# Altium PCB 电解模块主控板_V1.1_ZM_20211015.PcbDoc (part 1 of 4)
Units mm, origin at the board's own origin, x right, y up, seen from the top; angles counter-clockwise.
Board outline 150.25 x 100.26 mm, 2 copper layers (Top Layer, Bottom Layer); 200 components, 151 nets, 656 pads, 1528 vias.
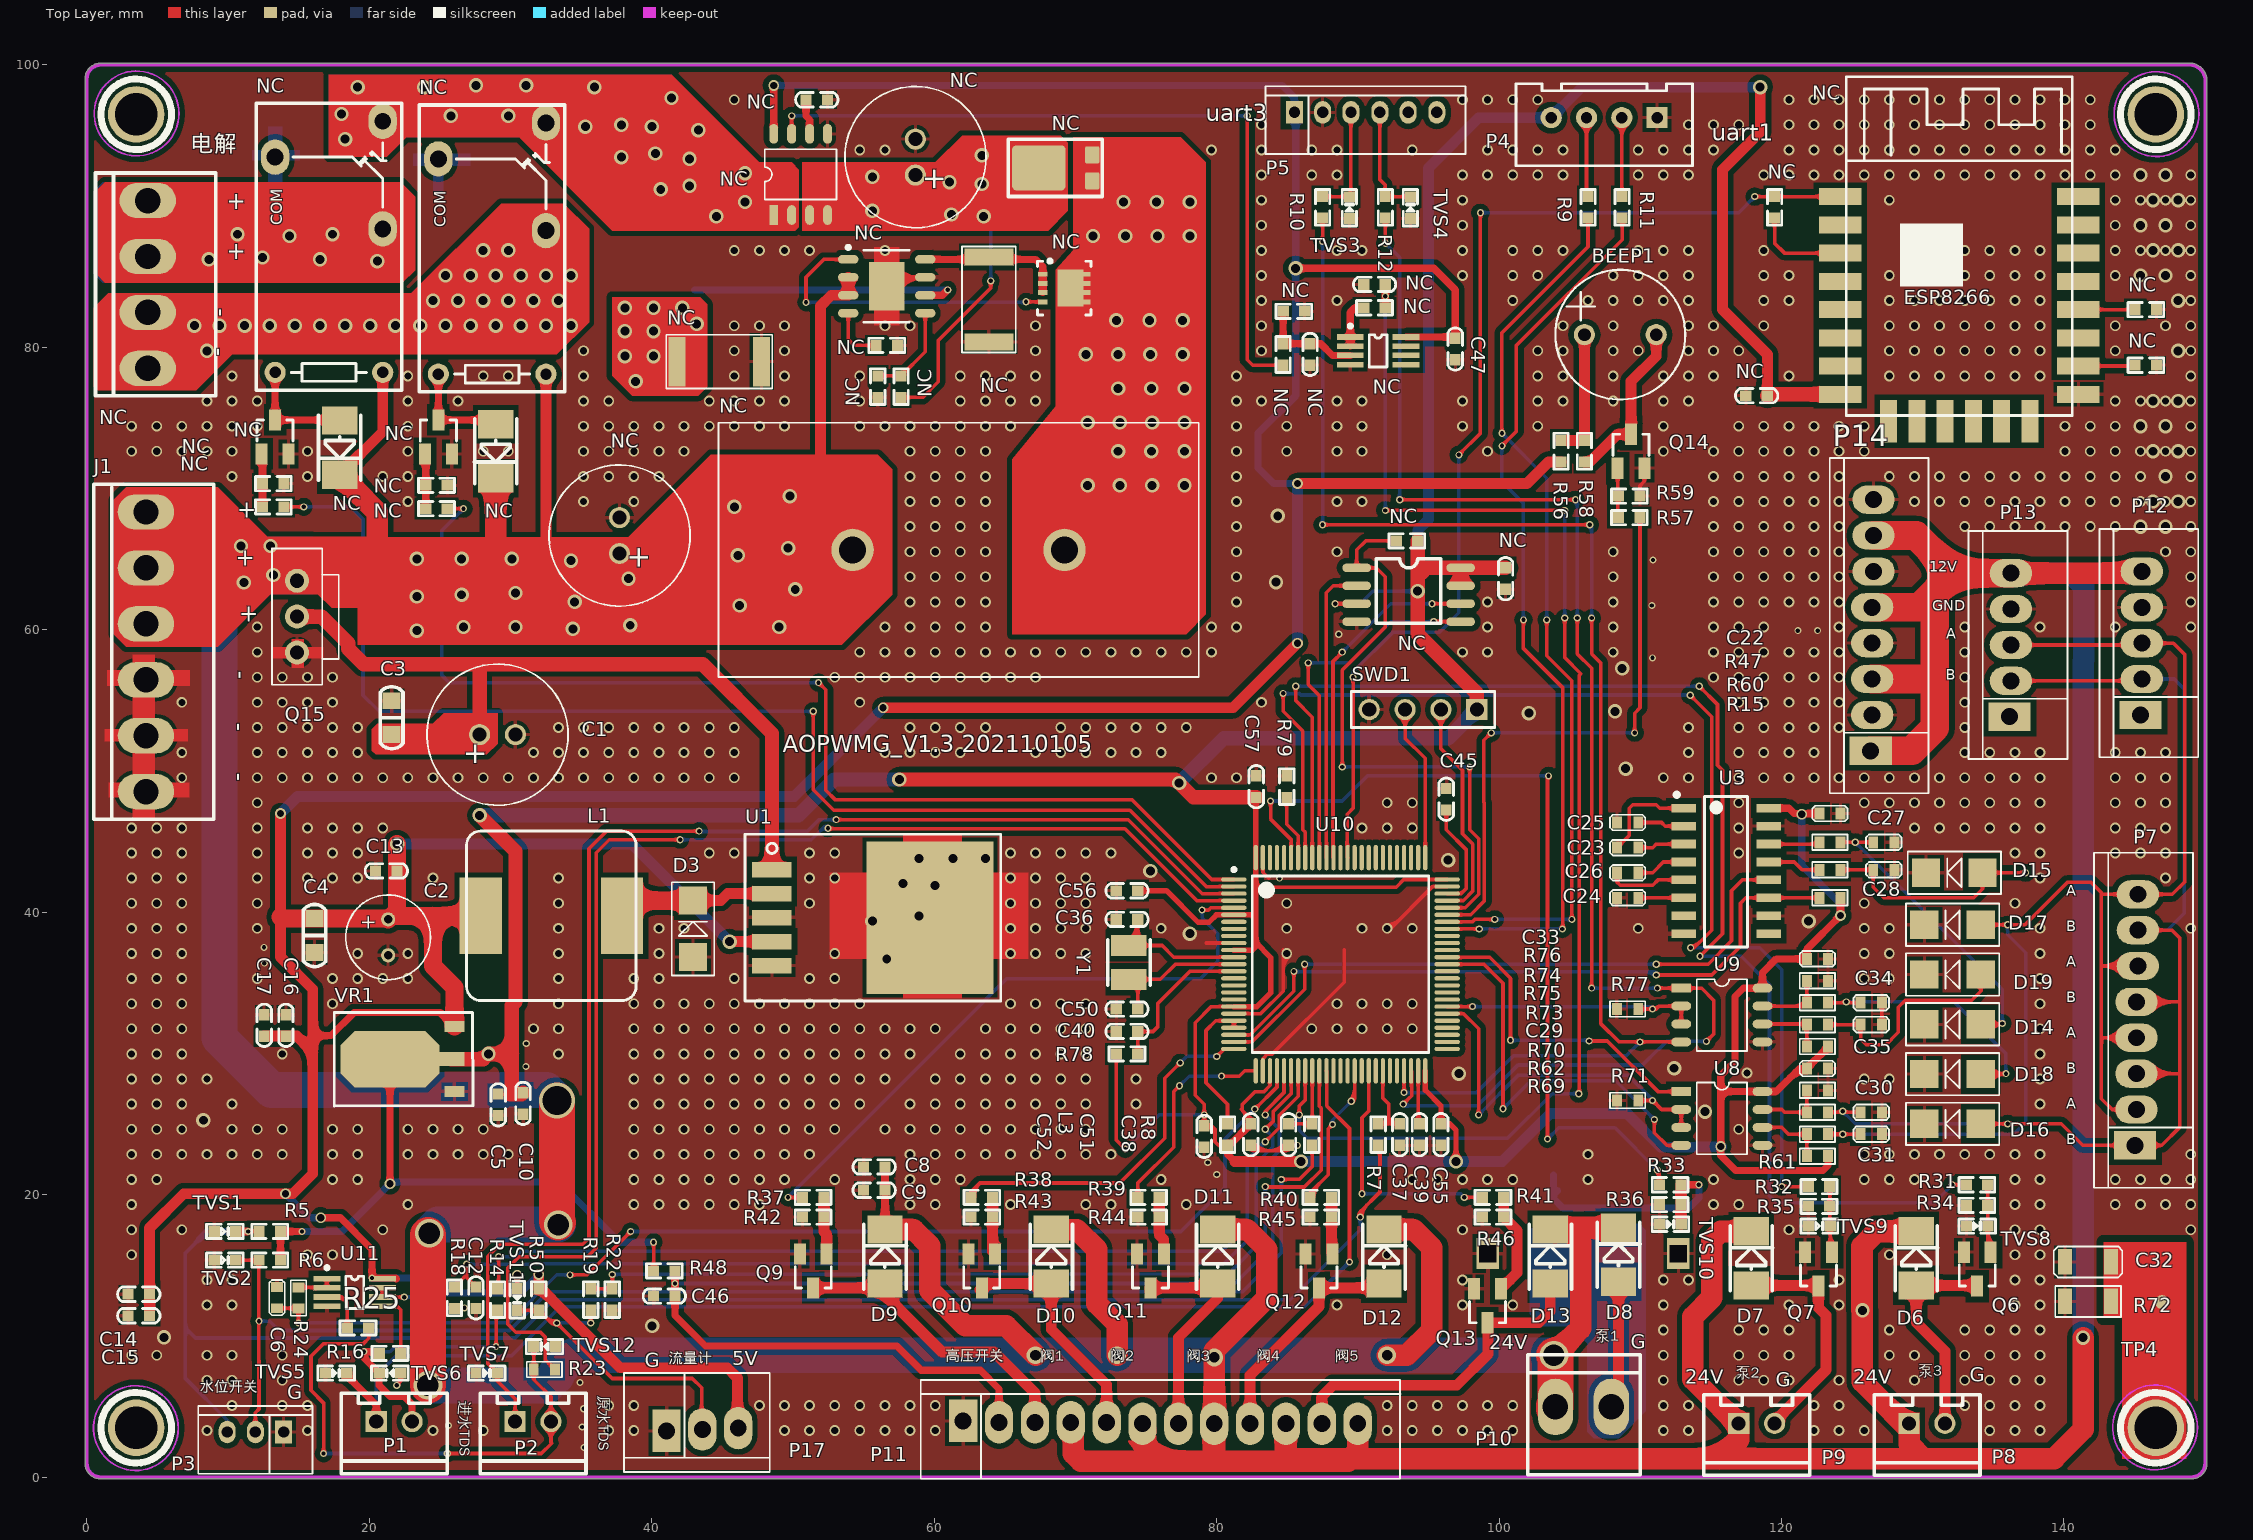
[diagram p0: Top Layer view]
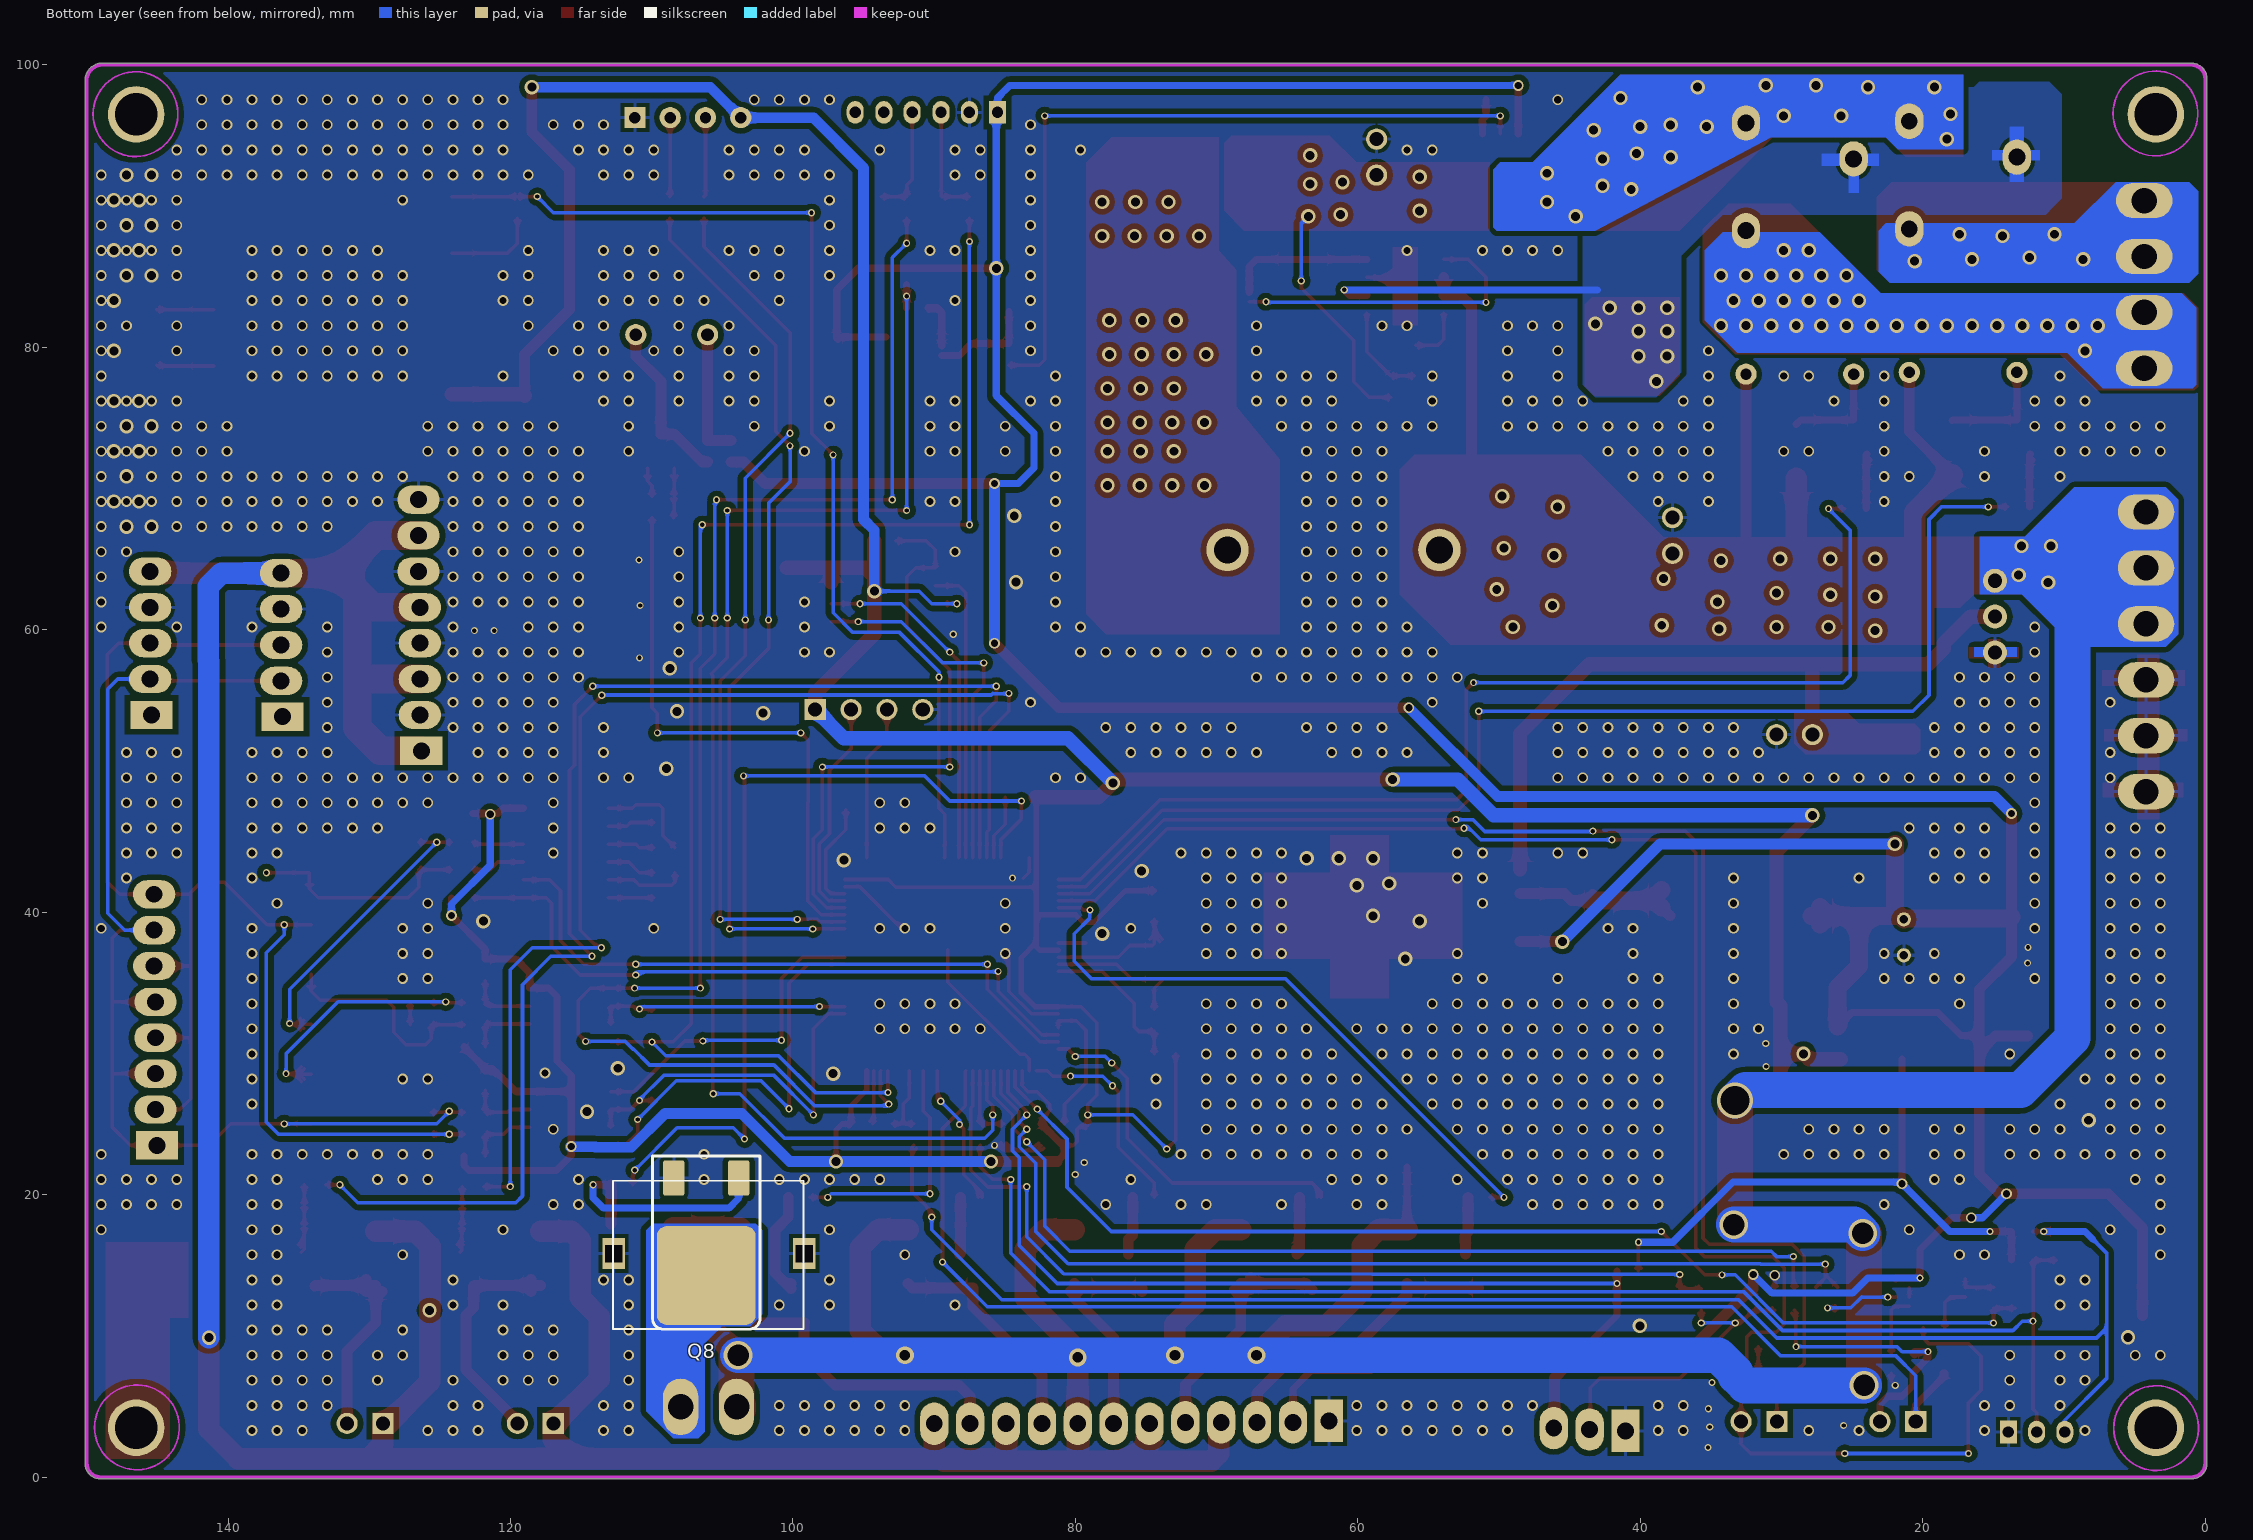
[diagram p1: Bottom Layer view, seen from below]
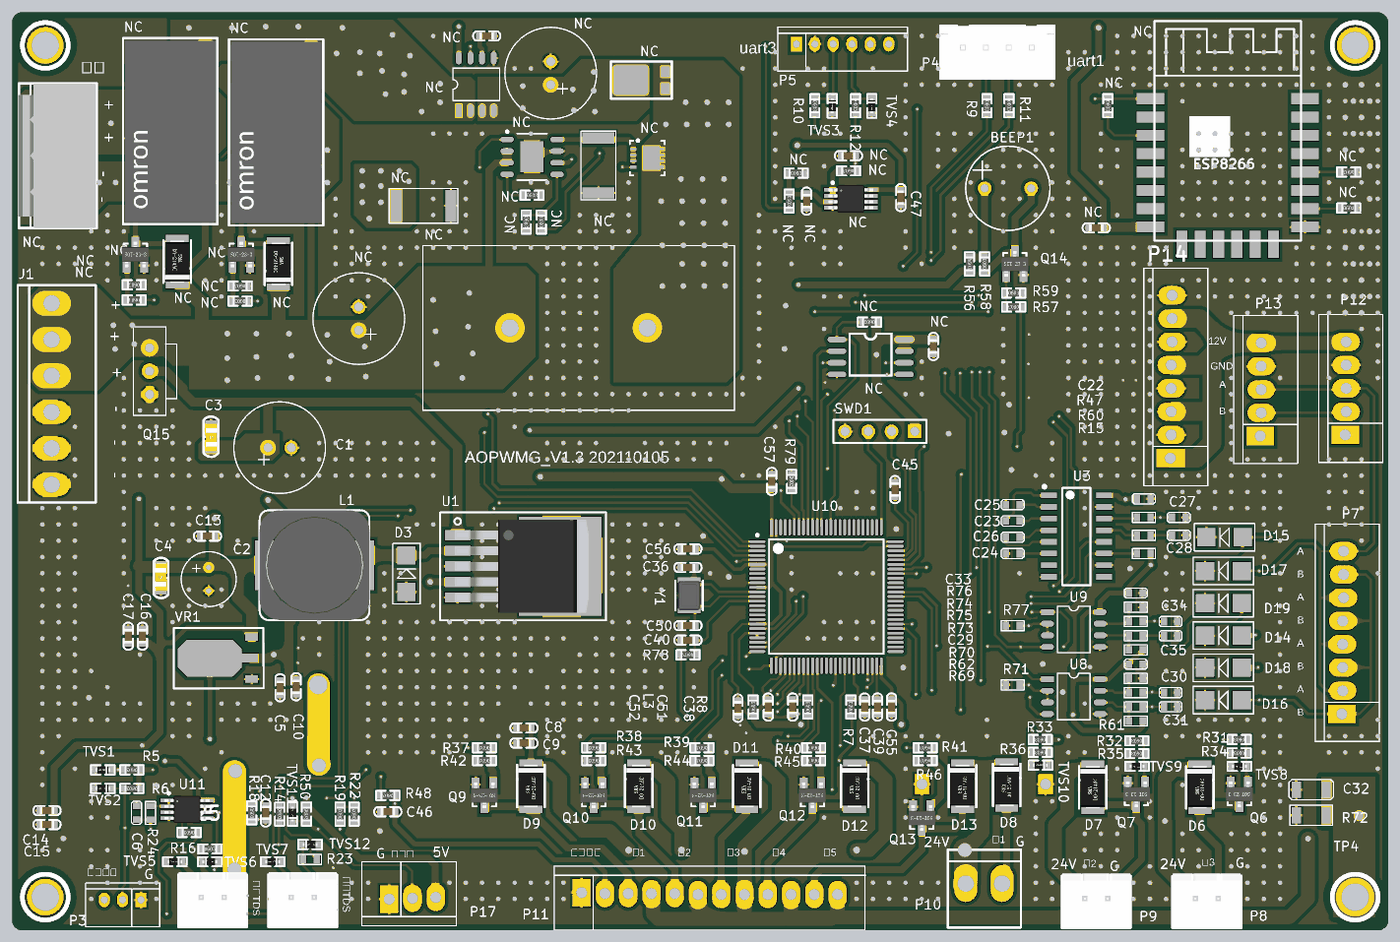
[diagram p5: 3D render of the assembled board from above, using the file's embedded part models]

## Layer stack, top to bottom
Top Layer: signal copper 0.0356
Dielectric: dielectric 0.32, FR-4, Dk 4.8
Bottom Layer: signal copper 0.0356

## Board outline
-0.127,1 ccw(c1,1) 1,-0.127 149,-0.127 ccw(c149,1) 150.127,1 150.127,99 ccw(c150,99) 150.126,99.016 ccw(c148.859,98.859) 148.709,100.127 1,100.127 ccw(c1,99) -0.127,99

## Design rules (kind name [scope] priority, off if disabled: settings)
Clearance Clearance_2 [InNet('NetC32_2')] p1: gap=0.508
Clearance Clearance_1 [InPolygon] p2: gap=0.381
Clearance [All] p3: gap=0.152
NetAntennae [All] p1: netantennaetolerance=5.08
PolygonConnect PolygonConnect_2 [InNet('NetC32_2')] p1: connectstyle=Direct reliefconductorwidth=0.254 reliefentries=4 polygonreliefangle="90 Angle"
PolygonConnect PolygonConnect_1 [isvia] p2: connectstyle=Direct reliefconductorwidth=0.254 reliefentries=4 polygonreliefangle="90 Angle"
PolygonConnect [All] p3: connectstyle=Relief reliefconductorwidth=0.254 reliefentries=4 polygonreliefangle="90 Angle"
RoutingVias [All] p1: holewidth=0.305 width=0.61 viastyle="Through Hole" minholewidth=0.203 minwidth=0.203 maxholewidth=5.08 maxwidth=5.08
SilkscreenOverComponentPads SilkToSolderMaskClearance [IsPad] p1: minsilkscreentomaskgap=0.051
SolderMaskExpansion [All] p1: expansion=0.102
Width [All] p1: maxlimit=9.144 minlimit=0.254 preferedwidth=0.254
26 further rules are at their usual default settings.

## Classes and differential pairs
component class 02_Power: C1 C2 C3 C4 C5 C8 C9 C10 C13 C14 C15 C16 C17 D3 J1 L1 Q15 U1 VR1
component class 04_Sensor: C6 C12 C37 C38 C47 P1 P2 P3 P17 R5 R6 R7 R8 R14 R16 R18 R19 R22 R23 R24 R25 R50 TVS1 TVS2 TVS5 TVS6 TVS7 TVS11 TVS12 U11
component class com: C22 C23 C24 C25 C26 C27 C28 C29 C30 C31 C32 C33 C34 C35 D14 D15 D16 D17 D18 D19 P7 P12 P13 P14 R15 R47 R60 R61 R62 R69 R70 R71 R72 R73 R74 R75 R76 R77 TP4 U3 U8 U9
component class 05_USART: P4 P5 R9 R10 R11 R12 TVS3 TVS4
component class cpu: C36 C39 C40 C45 C50 C51 C52 C55 C56 C57 L3 R78 R79 SWD1 U10 Y1
component class 07_EL_CON: NC
component class 08_Peripherals: C46 D6 D7 D8 D9 D10 D11 D12 D13 P8 P9 P10 P11 Q6 Q7 Q8 Q9 Q10 Q11 Q12 Q13 R31 R32 R33 R34 R35 R36 R37 R38 R39 R40 R41 R42 R43 R44 R45 R46 R48 TVS8 TVS9 TVS10
component class 10_Wifi: NC
component class 11_Speak: BEEP1 BP1 Q14 R56 R57 R58 R59
component class 13_SPI_Flash: NC U7

## Components (designator, comment, footprint, x,y, rotation, side; value= is the part's Value field where it differs from the comment)
BEEP1 "BEEP-9.5X5.5" BEEP-9.5X5.5 108.585,80.899 r0 top
C1 "1000uF/35V" 10*16 29.083,52.578 r180 top
C2 "100uF/35V" 6*8 21.336,38.227 r90 top
C3 "104 50V" SMD-0805C 21.59,53.778 r270 top
C4 "104 50V" SMD-0805C 16.129,38.354 r90 top
C5 "10uF 25V" SMD-0603C 29.134,26.365 r90 top
C6 "NC" 0603C 13.462,13.462 r270 top
C8 "10uF25V" SMD-0603C 55.753,21.971 r0 top
C9 "104 50V" SMD-0603C 55.753,20.32 r0 top
C10 "104 50V" SMD-0603C 30.886,26.467 r90 top
C12 "NC" SMD-0603C 27.559,12.7 r90 top
C13 "104 50V" SMD-0603C 21.209,42.926 r0 top
C14 "10uF25V" SMD-0603C 3.683,12.954 r0 top
C15 "104 50V" SMD-0603C 3.683,11.43 r0 top
C16 "10uF25V" SMD-0603C 14.097,31.991 r270 top
C17 "104 50V" SMD-0603C 12.56,31.991 r270 top
C22 "104 50V" 0603C 122.682,46.99 r0 top
C23 "104 50V" 0603C 108.355,44.577 r0 top
C24 "104 50V" 0603C 109.855,41.021 r180 top
C25 "104 50V" 0603C 109.855,46.355 r180 top
C26 "104 50V" 0603C 108.355,42.799 r0 top
C27 "220PF/16V" 0603C 126.492,44.958 r0 top
C28 "220PF/16V" 0603C 126.492,43.011 r0 top
C29 "104 50V" 0603C 121.793,28.942 r0 top
C30 "220PF/16V" 0603C 125.603,25.837 r0 top
C31 "220PF/16V" 0603C 125.603,24.285 r0 top
C32 "1NF/2KV" 1206C 140.081,15.24 r0 top
C33 "104 50V" 0603C 121.793,36.703 r0 top
C34 "220PF/16V" 0603C 125.603,33.599 r0 top
C35 "220PF/16V" 0603C 125.603,32.046 r0 top
C36 "12P/50V" SMD-0603C 73.66,39.497 r180 top
C37 "104 50V" SMD-0603C 92.964,24.257 r90 top
C38 "104 50V" SMD-0603C 85.09,24.257 r90 top
C39 "4.7uF/10V/NC" SMD-0603C 94.361,24.257 r90 top
C40 "1uF/10V" SMD-0603C 73.66,31.559 r0 top
C45 "4.7uF/10V/NC" SMD-0603C 96.266,48.006 r270 top
C46 "104 50V" SMD-0603C 40.894,12.827 r0 top
C47 "10uF 10V" SMD-0603C 96.901,79.883 r90 top
C50 "12P/50V" SMD-0603C 73.66,33.147 r180 top
C51 "104 50V" SMD-0603C 82.423,24.257 r90 top
C52 "104 50V" SMD-0603C 79.121,24.13 r90 top
C55 "104 50V" SMD-0603C 95.885,24.257 r90 top
C56 "104 50V" SMD-0603C 73.66,41.529 r0 top
C57 "104 50V" SMD-0603C 82.804,48.895 r270 top
D3 "SS34" SMA 42.926,36.83 r90 top
D6 "1N4007" DO-214-AC 129.54,15.494 r90 top
D7 "1N4007" DO-214-AC 117.856,15.494 r90 top
D8 "1N4007" DO-214-AC 108.458,15.748 r90 top
D9 "1N4007" DO-214-AC 56.515,15.621 r90 top
D10 "1N4007" DO-214-AC 68.294,15.621 r90 top
D11 "1N4007" DO-214-AC 80.073,15.621 r90 top
D12 "1N4007" DO-214-AC 91.853,15.621 r90 top
D13 "1N4007" DO-214-AC 103.632,15.621 r90 top
D14 "SMAJ18CA" SMA 134.112,32.067 r180 top
D15 "SMAJ18CA" SMA 134.239,42.799 r180 top
D16 "SMAJ6.5CA" SMA 134.112,25.019 r180 top
D17 "SMAJ6.5CA" SMA 134.112,39.116 r180 top
D18 "SMAJ6.5CA" SMA 134.112,28.543 r180 top
D19 "SMAJ6.5CA" SMA 134.112,35.592 r180 top
J1 "HEADER_6" VH-AW-3.96*6P 4.191,54.483 r90 top
L1 "33uH" CDRH-127 32.893,39.751 r180 top
L3 "MPZ1608D101BTA00" SMD-0603 80.772,24.257 r90 top
NC "1000uF/35V" 10*16 58.674,93.472 r270 top
NC "1000uF/35V" 10*16 37.719,66.675 r270 top
NC "104 50V" SMD-0603C 51.689,97.536 r0 top
NC "NC" SMD-0603C 91.186,84.455 r0 top
NC "104 50V" SMD-0603C 86.614,79.502 r270 top
NC "104 50V" SMD-0603C 118.237,76.581 r0 top
NC "104 50V" SMD-0603C 100.457,63.627 r270 top
NC "SB1545L" TO227 67.945,92.71 r90 top
NC "1N4007" DO-214-AC 17.907,72.898 r270 top
NC "1N4007" DO-214-AC 28.956,72.644 r270 top
NC "33uH/15A" INDUCTOR_34*18 54.229,65.659 r0 top
NC "SS8050" SOT-23 13.335,73.66 r0 top
NC "SS8050" SOT-23 24.892,73.66 r0 top
NC "AON7506" DFN3*3-8 69.215,84.201 r270 top
NC "0.03/1w" 2512R 41.783,78.994 r0 top
NC "23.2K/1%" SMD-0603 57.658,77.216 r90 top
NC "38.3K/1%" SMD-0603 56.642,80.137 r0 top
NC "0.027/1%" 2512r 63.881,86.391 r270 top
NC "1K/1%" SMD-0603 56.007,77.216 r270 top
NC "1K" SMD-0603 13.208,68.707 r180 top
NC "47K" SMD-0603 13.208,70.358 r180 top
NC "1K" SMD-0603 24.765,68.58 r180 top
NC "47K" SMD-0603 24.765,70.231 r180 top
NC "100R" SMD-0603 91.186,82.804 r180 top
NC "10K" SMD-0603 84.709,79.502 r270 top
NC "1K" SMD-0603 119.507,89.916 r270 top
NC "NC" SMD-0603 145.796,82.677 r180 top
NC "1K" SMD-0603 145.796,78.74 r0 top
NC "4.7K" SMD-0603 93.472,66.294 r180 top
NC "SGM358YMS/TR" MSOP-8 91.44,79.756 r0 top
NC "ACS712ELCTR-20A-T" SO-8 48.641,89.373 r90 top
NC "G5Q-14-DC12" G5Q-14 17.145,87.122 r90 top
NC "G5Q-14-DC12" G5Q-14 28.702,86.995 r90 top
NC "SIP-4" VH-AW-3.96*4P 4.318,84.455 r90 top
NC "OC6781" SOP127P600X265_HS-9N 56.642,84.328 r0 top
NC "ESP-12F" ESP-12F 123.952,90.678 r0 top
NC "W25Q128FVSIG" SO-8W 89.916,64.389 r0 top